# Altium PCB PCB1.PcbDoc (part 2 of 2)
Units mil, origin at the board's own origin, x right, y up, seen from the top; angles counter-clockwise.
Board outline 6000 x 4000 mil, 2 copper layers (Top Layer, Bottom Layer); 90 components, 145 nets, 578 pads, 84 vias.
Unrouted connection lines stored in the file: 9.
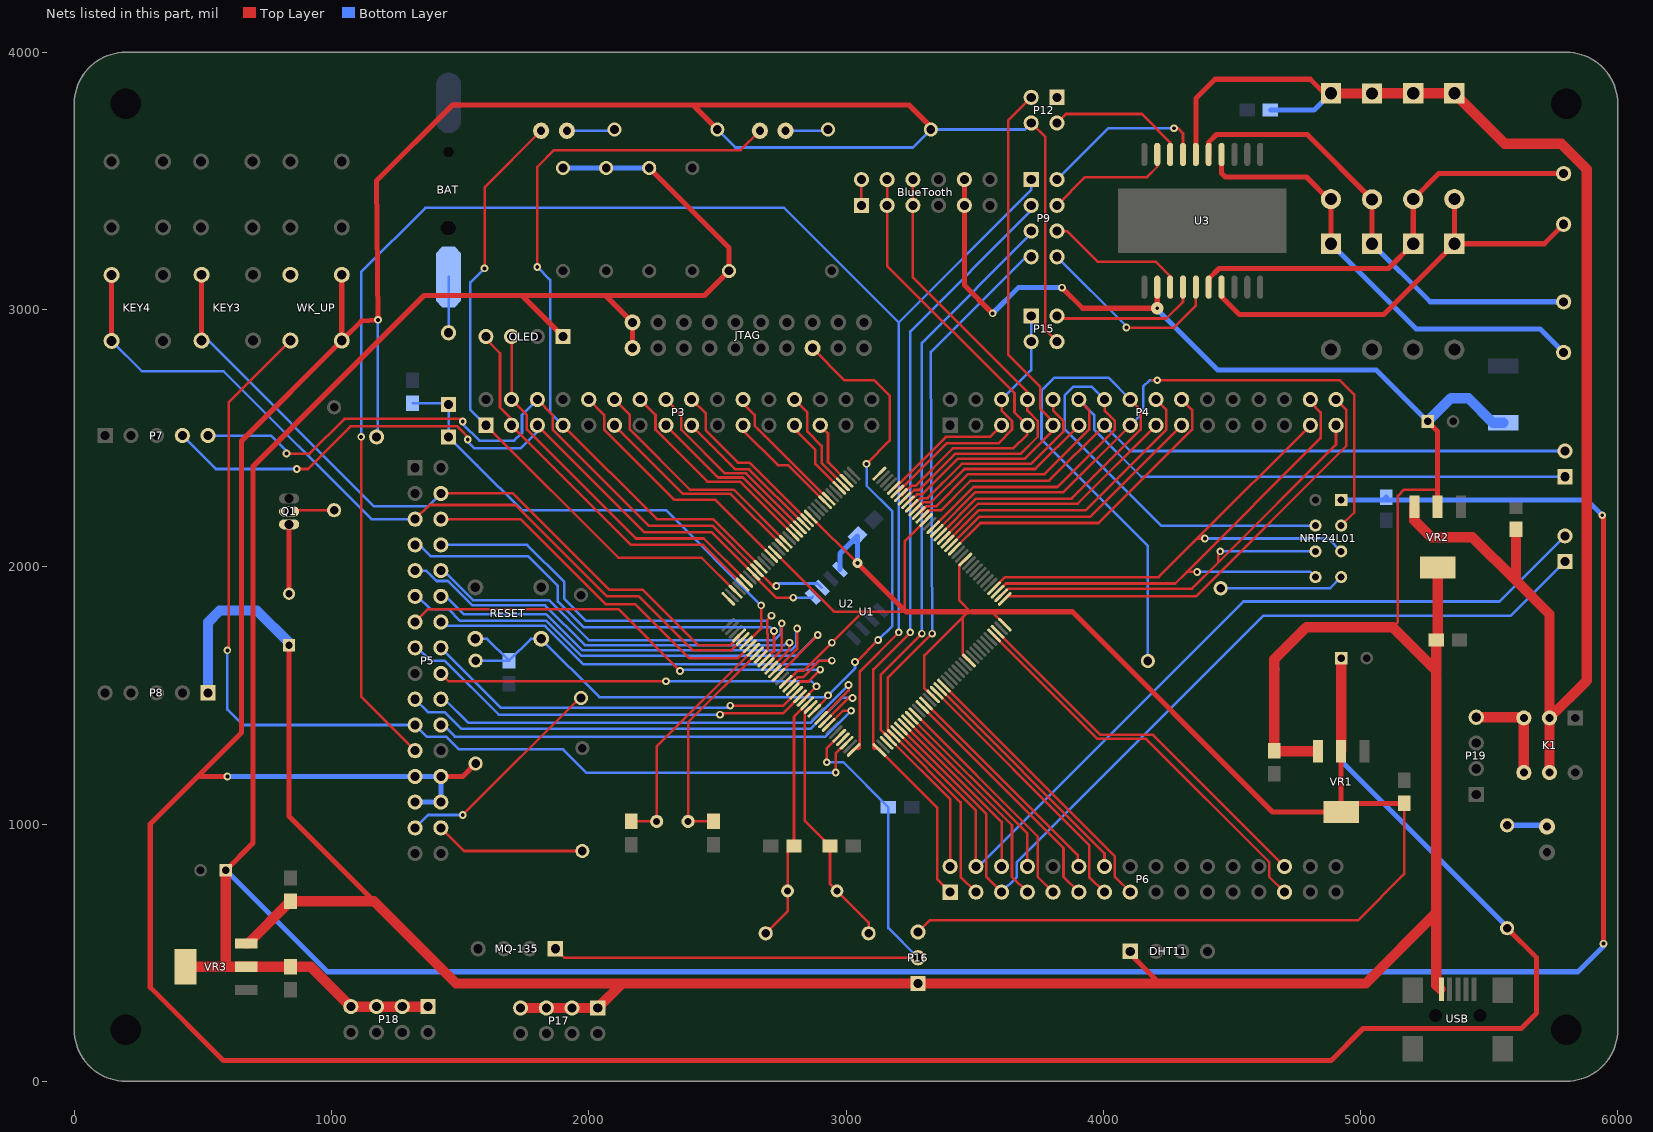
[diagram p2: the nets of this part, all layers, seen from the top]

## Via types
v1: diameter 30, hole 15, Top Layer to Bottom Layer, 76 vias
v2: diameter 50, hole 15, Top Layer to Bottom Layer, 5 vias
v3: diameter 40, hole 15, Top Layer to Bottom Layer, 3 vias

## Nets (pads, with @x,y where several pads share a name; then routed paths per layer and width w, separated by ;. In a path a pad name is that pad's centre, name@x,y a point inside that pad or via, vN(x,y) a via of type N, cw(c..) or ccw(c..) an arc to the next point about the centre after c; other vN are vias at no path point) (continued)
KEY_3: KEY3.2 P5.4 U1.4 | length 2899.5
  Top Layer w10: P5.4@1425,2285 1705,2285 2080,1910 2210,1910 2425,1695 2550.4,1695 2582.44,1727.03 2582.44,1735.16 U1.4@2584.47,1733.13
  Top Layer w20: KEY3.2@495,2879.09 KEY3.2@495,3135
  Bottom Layer w10: KEY3.2@495,2879.09 520.91,2879.09 1165,2235 1375,2235 P5.4@1425,2285
KEY_4: KEY4.2 P5.5 U1.5 | length 3272.1
  Top Layer w10: P5.5@1325,2185 1380,2240 1715,2240 2070,1885 2195,1885 2405,1675 2552.89,1675 2597.75,1719.85 U1.5@2598.39,1719.21
  Top Layer w20: KEY4.2@145,2878.19 KEY4.2@145,3134.09
  Bottom Layer w10: KEY4.2@145,2878.19 263.19,2760 580,2760 1155,2185 P5.5@1325,2185
LCD_BL: P6.8 U1.46 | length 764.2
  Top Layer w10: U1.46@3255.38,1412.99 3705,963.37 P6.8@3705,835
LED_0: D2.2 P3.7 U1.135 | length 2965.1
  Top Layer w10: v1(1800,3165) 1800,3555 1865,3620 2590,3620 D2.2@2665,3695 ; P3.7@1900,2550 2265,2185 2483.37,2185 U1.135@2667.99,2000.38
  Bottom Layer w10: v1(1800,3165) 1850,3115 1850,2600 P3.7@1900,2550
LED_1: D3.2 P3.1 U1.142 | length 2522.3
  Top Layer w10: v1(1595,3160) 1595,3475 D3.2@1815,3695 ; P3.1@1600,2550 2115,2035 2438.5,2035 U1.142@2570.55,1902.95
  Bottom Layer w10: v1(1595,3160) 1540,3105 1540,2610 P3.1@1600,2550
Li-vcc: C8.1 C11.2 D4.2 D5.2 D6.2 D7.2 K1.2 K1.5 U3.6 VR2.3 | length 5913.2
  Top Layer w20: U3.6@4360,3602.87 4360,3820 4435,3895 4805,3895 4859.09,3840.91 D4.2@4885,3840.91 ; D5.2@5045,3840 D5.2@5045.91,3840.91
  Top Layer w40: D4.2@4885,3840.91 4885.91,3840 D5.2@5045,3840 ; D5.2@5045.91,3840.91 D6.2@5205,3840.91 D7.2@5365,3840.91 5560.91,3645 5780,3645 5880,3545 5880,1557.6 K1.2@5735,1412.6 ; VR2.3@5209.45,2233.11 5209.45,2180.55 5275,2115 5435,2115 5605,1945 ; C11.2@5605,2145 5605,1945 ; K1.5@5735,1200 K1.2@5735,1412.6 ; 5605,1945 5735,1815 K1.2@5735,1412.6
  Bottom Layer w20: C8.1@4650,3775 4819.09,3775 D4.2@4885,3840.91
MOTOR-ENA: P4.9 P12.1 P12.3 U1.100 | length 2083.9
  Top Layer w10: U1.100@3241.47,2250.93 3245.53,2250.93 3277.24,2282.65 3297.65,2282.65 3435,2420 3695,2420 3805,2530 P4.9@3805,2550 3805,2565 3755,2615 3755,2700 3630,2825 3630,3735 P12.3@3720,3825
MOTOR-ENB: P4.6 P15.1 P15.3 U1.103 | length 1051.7
  Top Layer w10: U1.103@3199.71,2292.69 3203.77,2292.69 3391.08,2480 3592.49,2480 3645.43,2532.94 3645.43,2566.75 3605,2607.18 P4.6@3605,2650
  Bottom Layer w10: P4.6@3605,2650 3720,2765 P15.3@3720,2875 P15.1@3720,2975
MOTOR-IN1: P5.23 P9.1 U1.36 | length 6839.4
  Top Layer w10: v1(1115,2505) 1115,1495 P5.23@1325,1285 ; U1.36@3029.89,1287.71 3029.89,1291.77 3049.38,1291.77 3053.66,1296.06 3053.66,1593.66 v1(3205,1745)
  Bottom Layer w10: v1(1115,2505) 1115,3145 1365,3395 2760,3395 3205,2950 ; v1(3205,1745) 3205,2950 ; P9.1@3720,3505 3720,3465 3205,2950
MOTOR-IN2: P6.1 P9.3 U1.37 | length 3059.3
  Top Layer w10: v1(3250,1745) 3106.34,1601.34 3106.34,1296.06 3110.62,1291.77 3130.11,1291.77 U1.37@3130.11,1287.71 3355,1062.82 3355,785 P6.1@3405,735
  Bottom Layer w10: v1(3250,1745) 3250,2915 3720,3385 P9.3@3720,3405
MOTOR-IN3: P6.2 P9.5 U1.40 | length 2824.6
  Top Layer w10: v1(3295,1740) 3135,1580 3135,1367.62 3171.07,1331.55 3171.87,1331.55 U1.40@3171.87,1329.47 3405,1096.34 P6.2@3405,835
  Bottom Layer w10: v1(3295,1740) 3295,2870 3720,3295 P9.5@3720,3305
MOTOR-IN4: P6.3 P9.7 U1.41 | length 2861.8
  Top Layer w10: v1(3335,1740) 3162.02,1567.02 3162.02,1363.09 3177.66,1347.45 3185.79,1347.45 U1.41@3185.79,1343.39 3445.43,1083.74 3445.43,794.57 P6.3@3505,735
  Bottom Layer w10: v1(3335,1740) 3329.86,2834.86 3700,3205 P9.7@3720,3205
NetB1_1: B1.1 D4.1 D8.2 U3.4 | length 1793
  Top Layer w20: U3.4@4460,3602.87 4460,3530 4475,3515 4790,3515 4875.91,3429.09 D4.1@4885,3429.09 D8.2@4885,3255.91
  Bottom Layer w20: D8.2@4885,3255.91 5215.91,2925 5698.15,2925 B1.1@5790,2833.15
NetB1_2: B1.2 D5.1 D9.2 U3.5 | length 1809.7
  Top Layer w20: U3.5@4410,3602.87 4410,3650 4440,3680 4793.19,3680 D5.1@5045,3428.19 D9.2@5045,3255.91
  Bottom Layer w20: D9.2@5045,3255.91 5270.91,3030 B1.2@5790,3030
NetB2_1: B2.1 D6.1 D10.2 U3.16 | length 1683.5
  Top Layer w20: U3.16@4410,3087.13 4410,3120 4450,3160 5109.09,3160 D10.2@5205,3255.91 D6.1@5205,3429.09 5304.33,3528.43 B2.1@5790,3528.43
NetB2_2: B2.2 D7.1 D11.2 U3.17 | length 1714.9
  Top Layer w20: U3.17@4460,3087.13 4460,3050 4530,2980 5089.09,2980 D11.2@5365,3255.91 ; D7.1@5365,3429.09 D11.2@5365,3255.91 ; B2.2@5790,3331.57 5714.33,3255.91 D11.2@5365,3255.91
NetBAT1_1: BAT.1 D13.1 | length 216.6
  Bottom Layer w10: D13.1@1455,2909.76 BAT.1@1455,3126.35
NetBEEP1_2: BEEP.2 Q1.3 | length 270
  Top Layer w20: BEEP.2@835,1895 Q1.3@835,2165
NetC2_1: C2.1 R4.2 U1.23 Y1.1 | length 960.4
  Top Layer w10: R4.2@2687.87,575 2772.87,660 Y1.1@2772.87,740 2772.87,890 C2.1@2797.87,915 2797.87,1417.6 U1.23@2848.94,1468.66
NetC3_1: C3.1 R4.1 U1.24 Y1.2 | length 997.4
  Top Layer w10: U1.24@2862.86,1454.74 2862.86,1450.68 2854.73,1450.68 2839.09,1435.04 2839.09,1013.79 C3.1@2937.87,915 2937.87,767.13 Y1.2@2965,740 3087.87,617.13 R4.1@3087.87,575
NetC17_2: C17.2 D12.2 D13.2 U1.6 | length 1924.2
  Top Layer w10: U1.6@2612.31,1705.29 2615.29,1705.29 2670,1760 v1(2670,1850)
  Bottom Layer w10: C17.2@1315,2635 1450.24,2635 D13.2@1455,2630.24 1455,2505.24 D12.2@1454.76,2505 1565.72,2394.04 1565.96,2394.04 1740,2220 2300,2220 v1(2670,1850)
NetD1_1: D1.1 R1.1 | length 164.1
  Top Layer w20: D1.1@5730,990 D1.1@5735,985
  Bottom Layer w20: R1.1@5570,995 5720,995 D1.1@5725,990
NetD2_1: D2.1 R2.1 | length 167.1
  Bottom Layer w10: D2.1@2765,3695 2925,3695 R2.1@2930,3700
NetD3_1: D3.1 R3.1 | length 187.1
  Bottom Layer w10: D3.1@1915,3695 2095,3695 R3.1@2100,3700
NetK1_3: K1.3 K1.4 P19.4 | length 398.6
  Top Layer w40: P19.4@5450,1415 5632.6,1415 K1.3@5635,1412.6 K1.4@5635,1200
NetP5_29: P5.29 R7.1 | length 854.2
  Top Layer w10: v1(1510,1035) 1965,1490 R7.1@1970,1490
  Bottom Layer w10: P5.29@1325,985 1375,1035 v1(1510,1035)
NetP5_30: P5.30 R8.2 | length 587.3
  Top Layer w10: P5.30@1425,985 1515,895 R8.2@1975,895
NetP9_2: P9.2 U3.7 | length 663.3
  Top Layer w10: v1(4275,3705) 4290,3705 4310,3685 U3.7@4310,3602.87
  Bottom Layer w10: P9.2@3820,3505 4020,3705 v1(4275,3705)
NetP9_4: P9.4 U3.9 | length 500
  Top Layer w10: P9.4@3820,3405 3930,3515 4170,3515 4210,3555 U3.9@4210,3602.87
NetP9_6: P9.6 U3.13 | length 555.4
  Top Layer w10: P9.6@3820,3305 3860,3305 3980,3185 4205,3185 4260,3130 U3.13@4260,3087.13
NetP9_8: P9.8 U3.15 | length 764.2
  Top Layer w10: v1(4090,2930) 4275,2930 4360,3015 U3.15@4360,3087.13
  Bottom Layer w10: P9.8@3820,3205 4090,2935 v1(4090,2930)
NetP12_2: P12.2 U3.8 | length 547.2
  Top Layer w10: P12.2@3820,3725 3855,3760 4150,3760 4260,3650 U3.8@4260,3602.87
NetP15_2: P15.2 U3.14 | length 578.2
  Top Layer w10: P15.2@3820,2975 3830,2965 4245,2965 4310,3030 U3.14@4310,3087.13
NetQ1_2: Q1.2 R6.1 | length 177.1
  Top Layer w10: Q1.2@835,2215 840,2220 R6.1@1010,2220
NetR14_2: NRF24L01.8 R14.2 | length 486.6
  Bottom Layer w10: R14.2@4456.42,1916.42 4881.42,1916.42 NRF24L01.8@4925,1960
NRF_CE: NRF24L01.3 P4.14 U1.93 | length 2447.9
  Top Layer w10: U1.93@3338.9,2153.5 3495.4,2310 3822.18,2310 4045.43,2533.25 4045.43,2566.75 4006.71,2605.47 4006.71,2648.29 P4.14@4005,2650
  Bottom Layer w10: P4.14@4005,2650 3955,2700 3885,2700 3850,2665 3850,2535 4225,2160 NRF24L01.3@4825,2160
NRF_CS: NRF24L01.4 P4.15 U1.92 | length 2496.7
  Top Layer w10: U1.92@3352.82,2139.58 3503.24,2290 3845,2290 P4.15@4105,2550 ; 4190,2725 v1(4210,2725) 4920,2725 4975,2670 4975,2210 NRF24L01.4@4925,2160
  Bottom Layer w10: P4.15@4105,2550 4155,2600 4155,2700 4180,2725 v1(4210,2725)
NRF_IRQ: P4.16 R14.1 U1.91 | length 2704.7
  Top Layer w10: U1.91@3366.74,2125.66 3506.08,2265 3877.18,2265 4145.43,2533.25 4145.43,2609.57 P4.16@4105,2650
  Bottom Layer w10: P4.16@4105,2650 4020,2735 3810,2735 3760,2685 3760,2495 4173.58,2081.42 R14.1@4173.58,1633.58
PA0: P5.21 U1.34 WK_UP.2 | length 4135
  Top Layer w10: v1(595,1675) 600,1680 600,2639.09 WK_UP.2@840,2879.09 ; v1(2960,1200) 2960,1273.5 U1.34@3002.05,1315.55
  Bottom Layer w10: v1(595,1675) 595,1445 655,1385 P5.21@1325,1385 1370,1340 1445,1340 1495,1290 1900,1290 1990,1200 v1(2960,1200)
PA6: P1.2 P6.4 U1.42 | length 3471
  Top Layer w10: U1.42@3199.71,1357.31 3505,1052.01 P6.4@3505,835
  Bottom Layer w10: P6.4@3505,835 3515,835 4545,1865 5540,1865 P1.2@5795,2120
PA7: P1.1 P6.5 U1.43 | length 3554.1
  Top Layer w10: U1.43@3213.63,1371.23 3545.43,1039.42 3545.43,794.57 P6.5@3605,735
  Bottom Layer w10: P6.5@3605,735 3664.57,794.57 3664.57,851.75 4622.82,1810 5585,1810 P1.1@5795,2020
PA9: BlueTooth.5 BlueTooth.6 P4.8 U1.101 | length 1818.2
  Top Layer w10: U1.101@3227.55,2264.85 3231.61,2264.85 3265.31,2298.55 3283.55,2298.55 3425,2440 3680,2440 3745.43,2505.43 3745.43,2566.75 3705,2607.18 P4.8@3705,2650 3705,2680 3260,3125 BlueTooth.5@3260,3405 BlueTooth.6@3260,3505
PA10: BlueTooth.3 BlueTooth.4 P4.7 U1.102 | length 1805
  Top Layer w10: BlueTooth.4@3160,3505 BlueTooth.3@3160,3405 3160,3170 3655,2675 3655,2600 P4.7@3705,2550 3705,2515 3650,2460 3415,2460 3269.46,2314.46 3253.38,2314.46 3217.69,2278.77 U1.102@3213.63,2278.77
PA12: P4.5 U1.104 | length 520
  Top Layer w10: U1.104@3185.79,2306.61 3189.85,2306.61 3388.24,2505 3560,2505 P4.5@3605,2550
PB1: P6.9 U1.47 | length 913.8
  Top Layer w10: U1.47@3269.3,1426.9 3745.43,950.78 3745.43,794.57 P6.9@3805,735
PB6: P3.6 P7.5 U1.136 U2.6 | length 2969.9
  Top Layer w10: v1(825,2440) 915,2440 1050,2575 1500,2575 v1(1510,2565) ; P3.6@1800,2650 1859.57,2590.43 1859.57,2533.25 2232.82,2160 2480.53,2160 U1.136@2654.07,1986.47 2715.53,1925 v1(2729.29,1925)
  Bottom Layer w10: P7.5@520,2510 765,2510 825,2450 v1(825,2440) ; v1(1510,2565) 1510,2555 1575,2490 1710,2490 1740.43,2520.43 1740.43,2590.43 P3.6@1800,2650 ; v1(2729.29,1925) 2739.29,1935 2889.29,1935 U2.6@2905.96,1918.33
PB7: P3.5 P7.4 U1.137 U2.5 | length 2957.9
  Top Layer w10: v1(865,2380) 908.36,2380 1073.8,2545.43 1488.81,2545.43 1495.2,2539.04 1534.62,2499.62 v1(1529.81,2494.81) ; P3.5@1800,2550 2215,2135 2477.69,2135 U1.137@2640.15,1972.55 2640.15,1968.48 2728.63,1880 v1(2795,1880)
  Bottom Layer w10: P7.4@420,2510 550,2380 v1(865,2380) ; v1(1529.81,2494.81) 1529.81,2485.19 1555,2460 1735,2460 1800,2525 P3.5@1800,2550 ; v1(2795,1880) 2864.8,1880 2866.22,1878.58 U2.5@2870.61,1882.97
PB8: OLED.3 P3.4 U1.139 | length 1482.9
  Top Layer w10: OLED.3@1700,2895 P3.4@1700,2650 1759.57,2590.43 1759.57,2533.25 2182.82,2110 2447.01,2110 U1.139@2612.31,1944.71
PB9: OLED.4 P3.3 U1.140 | length 1556.3
  Top Layer w10: OLED.4@1600,2895 1600,2885 1655,2830 1655,2620 1700,2575 P3.3@1700,2550 2165,2085 2444.18,2085 U1.140@2598.39,1930.79
  Bottom Layer w10: P3.3@1700,2550 P3.3@1700,2565
PB10: P6.27 U1.69 | length 1576.4
  Top Layer w10: U1.69@3575.53,1733.13 3977.94,1330.72 4166.46,1330.72 4645.43,851.75 4645.43,794.57 P6.27@4705,735
PB11: P6.28 U1.70 | length 1493.3
  Top Layer w10: U1.70@3589.45,1747.05 3989.88,1346.62 4193.38,1346.62 P6.28@4705,835
PB12: P4.32 U1.73 | length 1771
  Top Layer w10: U1.73@3617.29,1875.11 3627.18,1885 4360,1885 4945.43,2470.43 4945.43,2609.57 P4.32@4905,2650
PB13: NRF24L01.5 P4.31 U1.74 | length 2035
  Top Layer w10: U1.74@3603.37,1889.03 3604.96,1889.03 3630.93,1915 4345,1915 4447.5,2017.5 ; v1(4455,2060) 4455,2055 4447.5,2047.5 4447.5,2017.5 ; P4.31@4905,2550 4905,2475 4447.5,2017.5
  Bottom Layer w10: v1(4455,2060) NRF24L01.5@4825,2060
PB14: NRF24L01.7 P4.30 U1.75 | length 2178.1
  Top Layer w10: U1.75@3589.45,1902.95 3621.5,1935 4280,1935 4325,1980 ; v1(4365,1980) 4325,1980 ; P4.30@4805,2650 4805,2640.29 4845.43,2599.86 4845.43,2500.43 4325,1980
  Bottom Layer w10: v1(4365,1980) 4805,1980 NRF24L01.7@4825,1960
PB15: NRF24L01.6 P4.29 U1.76 | length 2085.2
  Top Layer w10: U1.76@3575.53,1916.87 3618.66,1960 4215,1960 4365,2110 ; v1(4395,2110) 4365,2110 ; P4.29@4805,2562.79 P4.29@4805,2550 4365,2110
  Bottom Layer w10: v1(4395,2110) 4875,2110 NRF24L01.6@4925,2060
PC1: P5.20 U1.27 | length 1853.8
  Top Layer w10: U1.27@2904.61,1412.99 3010,1518.37 v1(3010,1540)
  Bottom Layer w10: P5.20@1425,1485 1440,1485 1530.91,1394.09 2864.09,1394.09 v1(3010,1540)
PC2: P5.19 U1.28 | length 1941.5
  Top Layer w10: U1.28@2918.53,1399.07 3009.47,1490 v1(3025,1490)
  Bottom Layer w10: P5.19@1325,1485 1375,1435 1440,1435 1505,1370 2862.49,1370 2982.49,1490 v1(3025,1490)
PC3: P5.22 U1.29 | length 1765.3
  Top Layer w10: U1.29@2932.45,1385.15 2987.31,1440 v1(3020,1440)
  Bottom Layer w10: P5.22@1425,1385 1435,1385 1480,1340 2920,1340 v1(3020,1440)
PC4: P6.6 U1.44 | length 706.5
  Top Layer w10: U1.44@3227.55,1385.15 3605,1007.69 P6.6@3605,835
PC5: P6.7 U1.45 | length 856.1
  Top Layer w10: U1.45@3241.47,1399.07 3645.43,995.1 3645.43,794.57 P6.7@3705,735
PC6: P2.2 P4.13 U1.96 | length 2686.2
  Top Layer w10: U1.96@3297.14,2195.26 3301.21,2195.26 3324.98,2219.03 3369.03,2219.03 3485,2335 3790,2335 P4.13@4005,2550
  Bottom Layer w10: P4.13@4005,2550 4105,2450 P2.2@5795,2450
PC7: P2.1 P4.12 U1.97 | length 2977.7
  Top Layer w10: U1.97@3283.22,2209.18 3287.29,2209.18 3313.04,2234.93 3349.93,2234.93 3475,2360 3772.18,2360 3945.43,2533.25 3945.43,2609.57 P4.12@3905,2650
  Bottom Layer w10: P4.12@3905,2650 3964.57,2590.43 3964.57,2533.25 4147.82,2350 P2.1@5795,2350
PC8: P4.11 U1.98 | length 771.1
  Top Layer w10: U1.98@3269.3,2223.1 3273.37,2223.1 3301.11,2250.84 3330.84,2250.84 3460,2380 3735,2380 P4.11@3905,2550
PC9: P4.10 U1.99 | length 850.8
  Top Layer w10: U1.99@3255.38,2237.02 3259.45,2237.02 3289.18,2266.74 3316.74,2266.74 3450,2400 3720,2400 3845.43,2525.43 3845.43,2566.75 3805,2607.18 P4.10@3805,2650
PC10: P3.27 U1.111 | length 257.8
  Top Layer w10: P3.27@2900,2550 2900,2548.57 2930,2518.57 2930,2406.5 U1.111@3002.05,2334.45
PC11: P3.26 U1.112 | length 407.4
  Top Layer w10: P3.26@2800,2650 2850,2600 2850,2525 2905,2470 2905,2403.66 U1.112@2988.13,2320.53
PC12: P3.25 U1.113 | length 315.5
  Top Layer w10: P3.25@2800,2550 2800,2535 2881.19,2453.81 2881.19,2399.64 U1.113@2974.21,2306.61
PC13: P5.6 U1.7 | length 1444.1
  Top Layer w10: P5.6@1425,2185 1735,2185 2065,1855 2180,1855 2390,1645 2579.85,1645 U1.7@2626.23,1691.37
PC14: C6.2 U1.8 Y2.1 | length 922.2
  Top Layer w10: C6.2@2165,1010 Y2.1@2263.98,1010 2263.98,1301.28 U1.8@2640.15,1677.45
PC15: C7.2 U1.9 Y2.2 | length 863.6
  Top Layer w10: C7.2@2485.06,1010 Y2.2@2386.02,1010 2386.02,1395.49 U1.9@2654.07,1663.53
PD2: P3.22 U1.116 | length 525.5
  Top Layer w10: P3.22@2600,2650 2600,2635 2645,2590 2645,2548.24 2659.57,2533.68 2659.57,2533.25 2683.25,2509.57 2683.68,2509.57 2907.16,2286.08 2911.23,2286.08 U1.116@2932.45,2264.85
PD3: P3.21 U1.117 | length 454.1
  Top Layer w10: P3.21@2600,2550 2600,2530 2735,2395 2774.47,2395 U1.117@2918.53,2250.93
PD6: P3.18 U1.122 | length 681.1
  Top Layer w10: P3.18@2400,2650 2455,2595 2455,2530 2580,2405 2625.27,2405 U1.122@2848.94,2181.34
PD7: P3.17 U1.123 | length 593.5
  Top Layer w10: P3.17@2400,2550 2571.05,2378.95 2623.49,2378.95 U1.123@2835.02,2167.42
PF0: P5.8 U1.10 | length 1632.1
  Top Layer w10: U1.10@2667.99,1649.62 2695,1676.63 2695,1738.36 2694.09,1739.27 2694.09,1794.09 v1(2710,1810)
  Bottom Layer w10: P5.8@1425,2085 1760,2085 1905,1940 1905,1875 1990,1790 2690,1790 v1(2710,1810)
PF1: P5.7 U1.11 | length 1702.8
  Top Layer w10: U1.11@2681.9,1635.7 2718.1,1671.9 2720,1670 v1(2720,1750)
  Bottom Layer w10: P5.7@1325,2085 1341.34,2085 1385,2041.34 1763.66,2041.34 1880,1925 1880,1865 1980,1765 2705,1765 v1(2720,1750)
PF2: P5.10 U1.12 | length 1665.9
  Top Layer w10: U1.12@2695.82,1621.78 2750,1675.95 v1(2750,1780)
  Bottom Layer w10: P5.10@1425,1985 1434.83,1985 1549.83,1870 1845,1870 2000,1715 2721.64,1715 2745.91,1739.27 2745.91,1775.91 v1(2750,1780)
PF3: P5.9 U1.13 | length 1705.5
  Top Layer w10: U1.13@2709.74,1607.86 2780,1678.11 v1(2780,1705)
  Bottom Layer w10: P5.9@1325,1985 1367.82,1985 1408.25,1944.57 1452.77,1944.57 1547.34,1850 1830,1850 1985,1695 2760,1695 2770,1705 v1(2780,1705)
PF4: P5.12 U1.14 | length 1745.1
  Top Layer w10: U1.14@2723.66,1593.94 2810,1680.27 v1(2810,1760)
  Bottom Layer w10: P5.12@1425,1885 1445,1885 1515,1815 1835,1815 1975,1675 2786.64,1675 2805.91,1694.27 2805.91,1755.91 v1(2810,1760)
PF5: P5.11 U1.15 | length 1912.9
  Top Layer w10: U1.15@2737.58,1580.02 2890,1732.44 v1(2890,1735)
  Bottom Layer w10: P5.11@1325,1885 1335,1885 1385,1835 1455,1835 1500,1790 1835,1790 1971.64,1653.36 2808.36,1653.36 v1(2890,1735)
PF6: P5.14 U1.18 | length 1799.5
  Top Layer w10: U1.18@2779.34,1538.26 2811.08,1570 2832.49,1570 2897.49,1635 v1(2945,1635)
  Bottom Layer w10: P5.14@1425,1785 1440,1770 1830,1770 1979.09,1620.91 2880.91,1620.91 2895,1635 v1(2945,1635)
PF7: P5.13 U1.19 | length 1845.3
  Top Layer w10: P5.13@1325,1785 1375,1835 2115,1835 v1(2355,1595) ; U1.19@2793.26,1524.34 2823.01,1554.09 2854.09,1554.09 v1(2900,1600)
  Bottom Layer w10: v1(2355,1595) 2350,1600 v1(2900,1600)
PF8: P5.16 U1.20 | length 1503.3
  Top Layer w10: v1(2550,1460) 2756.76,1460 U1.20@2807.18,1510.42
  Bottom Layer w10: P5.16@1425,1685 1658.46,1451.54 2541.54,1451.54 v1(2550,1460)
PF9: P5.15 U1.21 | length 1633.4
  Top Layer w10: v1(2510,1425) 2515,1430 2754.6,1430 U1.21@2821.1,1496.5
  Bottom Layer w10: P5.15@1325,1685 1335,1685 1385,1635 1440,1635 1650,1425 v1(2510,1425)
PF10: P5.18 U1.22 | length 1557.2
  Top Layer w10: P5.18@1425,1585 1455,1555 v1(2300,1555) ; U1.22@2835.02,1482.58 2839.08,1482.58 2839.08,1490.71 2854.72,1506.35 2856.35,1506.35 v1(2885,1535)
  Bottom Layer w10: v1(2300,1555) 2865,1555 v1(2885,1535)
PF11: P6.11 U1.49 | length 971.5
  Top Layer w10: U1.49@3297.14,1454.74 3845.43,906.45 3845.43,794.57 P6.11@3905,735
PF12: P6.12 U1.50 | length 879.7
  Top Layer w10: U1.50@3311.06,1468.66 3900.2,879.53 3900.2,839.8 P6.12@3905,835
PF13: P6.13 U1.53 | length 1045.6
  Top Layer w10: U1.53@3352.82,1510.42 3945.43,917.81 3945.43,794.57 P6.13@4005,735
PF14: P6.14 U1.54 | length 953.7
  Top Layer w10: U1.54@3366.74,1524.34 4005,886.08 P6.14@4005,835
PF15: P6.15 U1.55 | length 1103.3
  Top Layer w10: U1.55@3380.66,1538.26 4045.43,873.49 4045.43,794.57 P6.15@4105,735
PG2: P4.20 U1.87 | length 1248.4
  Top Layer w10: U1.87@3422.42,2069.98 3522.44,2170 3982.18,2170 4345.43,2533.25 4345.43,2609.57 P4.20@4305,2650
PG3: P4.19 U1.88 | length 1089.6
  Top Layer w10: U1.88@3408.5,2083.9 3519.6,2195 3950,2195 P4.19@4305,2550
PG4: P4.18 U1.89 | length 1164.7
  Top Layer w10: U1.89@3394.58,2097.82 3516.76,2220 3932.18,2220 4245.43,2533.25 4245.43,2609.57 P4.18@4205,2650
PG5: P4.17 U1.90 | length 1005.9
  Top Layer w10: U1.90@3380.66,2111.74 3513.92,2245 3900,2245 P4.17@4205,2550
PG9: P3.16 U1.124 | length 760.3
  Top Layer w10: P3.16@2300,2650 2359.57,2590.43 2359.57,2533.25 2529.78,2363.04 2611.55,2363.04 U1.124@2821.1,2153.5
PG10: P3.15 U1.125 | length 677.2
  Top Layer w10: P3.15@2300,2550 2502.86,2347.14 2599.62,2347.14 U1.125@2807.18,2139.58
PG11: P3.14 U1.126 | length 843.9
  Top Layer w10: P3.14@2200,2650 2259.57,2590.43 2259.57,2533.25 2461.59,2331.23 2587.69,2331.23 U1.126@2793.26,2125.66
PG13: P3.12 U1.128 | length 927.6
  Top Layer w10: P3.12@2100,2650 2159.57,2590.43 2159.57,2533.25 2393.4,2299.42 2563.82,2299.42 U1.128@2765.42,2097.82
PG14: P3.11 U1.129 | length 844.6
  Top Layer w10: P3.11@2100,2550 2366.49,2283.51 2551.89,2283.51 U1.129@2751.5,2083.9
PG15: P3.10 U1.132 | length 995
  Top Layer w10: P3.10@2000,2650 2059.57,2590.43 2059.57,2533.25 2332.82,2260 2491.89,2260 U1.132@2709.74,2042.14
RESET: C5.1 JTAG.15 R5.1 RESET.1 U1.25 | length 3476.9
  Top Layer w10: JTAG.15@2870,2850 2995,2725 3110,2725 3170,2665 3170,2490 v1(3080,2400) ; U1.25@2876.78,1440.82 2930.95,1495 2930,1495.95 v1(2930,1500) ; v1(3035,1630) 3040,1630 v1(3125,1715)
  Bottom Layer w10: RESET.1@1559.09,1720 1605,1720 C5.1@1690,1635 ; R5.1@1560,1635 C5.1@1690,1635 ; v1(3035,1630) 3035,1605 v1(2930,1500) 2923.19,1493.19 2041.81,1493.19 RESET.1@1815,1720 1775,1720 C5.1@1690,1635 ; v1(3080,2400) 3080,2315 3180,2215 3180,1770 v1(3125,1715)
STATE: BlueTooth.1 BlueTooth.2 | length 100
  Top Layer w10: BlueTooth.1@3060,3405 BlueTooth.2@3060,3505
VCC3.3: C9.1 C12.1 C13.2 D12.1 P5.25 P5.26 P5.27 P5.28 P12.4 P15.4 P16.3 R1.2 R2.2 R3.2 R5.2 U1.17 U1.33 U1.39 U1.52 U1.62 U1.72 U1.84 U1.95 U1.108 U1.121 U1.131 U1.144 U2.8 VR1.2 WK_UP.1 | length 25667.2
  Top Layer w10: U1.131@2723.66,2056.06 2954.73,1825 3065,1825 ; U1.17@2765.42,1552.18 2769.49,1552.18 2812.31,1595 2835,1595 v1(2945,1705) 3065,1825 ; U1.121@2862.86,2195.26 v3@3044.01,2014.1 ; 3233.11,1825 3228.11,1830 ; P16.3@3280,580 3325,625 4990,625 5170,805 C13.2@5170,1080 ; U1.95@3311.06,2181.34 3228.11,2098.39 3228.11,1830 ; U1.52@3338.9,1496.5 3338.9,1500.57 3331.93,1500.57 3305,1527.49 3305,1655 3454.32,1804.32 ; 3454.32,1805 3454.32,1804.32 ; U1.84@3464.18,2028.22 3464.18,2024.16 3456.05,2024.16 3440.41,2008.52 3440.41,1869.59 3485,1825 3475,1825 3454.32,1804.32 ; U1.62@3478.1,1635.7 3478.1,1639.76 3469.97,1639.76 3454.32,1655.4 3454.32,1804.32 ; 3560,1825 3567.18,1825 U1.72@3617.29,1774.89 ; P12.4@3720,3725 3775,3670 3775,2920 P15.4@3820,2875 ; VR1.2@4925,1046.89 VR1.2@4958.11,1080 ; 3065,1825 3228.11,1825 3228.11,1830
  Top Layer w20: v1(595,1185) 485,1185 482.5,1187.5 ; WK_UP.1@1040,3135 WK_UP.1@1040,2879.09 ; P5.26@1425,1185 1510,1185 R5.2@1560,1235 ; 2412.5,3787.5 R3.2@2500,3700 ; v3(3044.95,2015.05) v3@3055,2005 ; v3@3054.06,2004.06 3228.11,1830 ; 3233.11,1825 3475,1825 ; R2.2@3330,3700 3330,3710 3245,3795 1470,3795 1175.24,3500.24 v1(1180.24,2959.76) 1115.67,2954.76 WK_UP.1@1040,2879.09 ; 3490,1825 3560,1825 ; 3567.18,1825 3880,1825 4658.11,1046.89 VR1.2@4925,1046.89 VR1.2@4925,1283.11 VR1.2@4925.79,1283.9 ; VR1.2@4958.11,1080 C13.2@5170,1080 ; R1.2@5570,595 5685,480 5685,265 5625,205 5010,205 4885,80 580,80 295,365 295,1000 482.5,1187.5 ; 482.5,1187.5 650,1355 650,2489.09 WK_UP.1@1040,2879.09
  Top Layer w40: VR1.2@4925.79,1283.9 C12.1@4925.79,1645
  Bottom Layer w10: D12.1@1180.24,2510 v1(1180.24,2959.76) ; R3.2@2500,3700 2570,3630 3260,3630 R2.2@3330,3700 3695,3700 P12.4@3720,3725
  Bottom Layer w20: v1(595,1185) P5.25@1325,1185 P5.26@1425,1185 P5.28@1425,1085 P5.27@1325,1085 ; U2.8@2976.67,1989.04 2976.67,2051.76 C9.1@3044.95,2120.05 v3(3044.95,2015.05) ; C12.1@4925.79,1645 4925.79,1244.21 R1.2@5572.5,597.5
VCC3.3T: C18.2 C20.1 C21.2 JTAG.1 JTAG.2 NRF24L01.2 OLED.1 P18.1 P18.3 P18.5 P18.7 R9.2 R10.2 R11.2 R13.2 VR3.2 | length 14811.1
  Top Layer w20: C20.1@575,805.79 C20.1@589.21,820 695,925.79 695,2390 1360,3055 1740,3055 ; OLED.1@1900,2895 1740,3055 ; JTAG.1@2170,2850 JTAG.2@2170,2950 2065,3055 ; R11.2@2235,3550 2545,3240 R13.2@2545,3150 2450,3055 2065,3055 ; v1(5940,2200) 5945,2195 v1(5945,535) ; 1740,3055 2065,3055
  Top Layer w40: VR3.2@431.89,445 590,445 ; C20.1@589.21,820 589.21,445.79 590,445 ; P18.1@1375,290 P18.3@1275,290 P18.5@1175,290 P18.7@1075,290 920,445 C21.2@840,445 VR3.2@668.11,445 590,445
  Bottom Layer w20: C20.1@589.21,820 983.78,425.43 5845.43,425.43 5945,525 v1(5945,535) ; R9.2@1900,3550 R10.2@2067.5,3550 R11.2@2235,3550 ; NRF24L01.2@4925,2260 C18.2@5090,2260 ; C18.2@5100,2270 C18.2@5090,2260 ; v1(5940,2200) 5880,2260 C18.2@5090,2260
VCC5: BEEP.1 BlueTooth.9 BlueTooth.10 C10.2 C14.1 C15.2 C19.2 D14.2 DHT11.1 P8.1 P16.1 P17.1 P17.3 P17.5 P17.7 U3.12 USB.1 VR1.3 VR2.2 VR3.3 | length 14251.8
  Top Layer w10: 5125,1765 5145,1785 5145,2275 5170,2300 5300,2300
  Top Layer w20: BEEP.1@835,1695 835,1030 1165,700 ; BlueTooth.10@3460,3505 BlueTooth.9@3460,3405 3460,3095 v1(3570,2985) ; v1(3840,3085) 3920,3005 v2(4210,3005) U3.12@4210,3077.13 ; DHT11.1@4105,505 4105,495 4220,380 ; C14.1@5261.57,2565 5300,2526.57 5300,2300 VR2.2@5300,2233.11
  Top Layer w40: VR3.3@668.11,535.55 675.49,535.55 C19.2@839.94,700 1165,700 1485,380 2130,380 ; P17.7@1735,285 P17.5@1835,285 P17.3@1935,285 P17.1@2035,285 2130,380 ; VR1.3@4834.45,1283.11 4666.95,1283.11 C10.2@4665.06,1285 4665.06,1640.06 4790,1765 5125,1765 5295,1595 C15.2@5295,1715 5300,1720 VR2.2@5300,1996.89 ; 5295,1580 5295,655 ; USB.1@5311.14,357.36 5295,373.51 5295,655 ; 2130,380 P16.1@3280,380 4220,380 5020,380 5295,655
  Bottom Layer w20: v1(3570,2985) 3670,3085 v1(3840,3085) ; v2(4210,3005) 4210,3000 4445,2765 5061.57,2765 C14.1@5261.57,2565
  Bottom Layer w40: P8.1@520,1510 520,1785 565,1830 710,1830 835,1705 BEEP.1@835,1695 ; 4665,1600 4665.06,1599.94 ; C14.1@5261.57,2565 5351.57,2655 5420,2655 5515,2560 D14.2@5555,2560
VREF+: C16.2 MQ-135.1 P16.2 U1.32 | length 2493.4
  Top Layer w10: MQ-135.1@1870,515 1905,480 P16.2@3280,480 ; v1(2925,1240) 2925,1294.18 U1.32@2974.21,1343.39
  Bottom Layer w10: v1(2925,1240) 2989.94,1240 C16.2@3165,1064.94 3165,595 P16.2@3280,480
pads on no net: BAT.0 DHT11.3 JTAG.11 JTAG.17 JTAG.19 K1.1 K1.6 P3.30 P3.31 P3.32 P4.1 P4.2 P4.3 P6.29 P6.30 P6.31 P6.32 P7.1 P7.2 P7.3 P8.2 P8.4 P8.5 P19.2 P19.3 U1.106 U3.3 U3.18 U3.21 USB.2 USB.3 USB.4 USB.6 USB.7 USB.8 USB.9 USB.MH1 USB.MH2
copper on no net: | length 19656.6
  Top Layer w10: 0,200 ccw(c200,200) 200,0 400,0 5600,0 5800,0 ccw(c5800,200) 6000,200 6000,400 6000,3800 ccw(c5800,3800) 5800,4000 200,4000 ccw(c200,3800) 0,3800 0,400 0,200

## Polygon pours and split planes (outlines as drawn)
GND on Top Layer "Top Layer-No Net" (hatched 90Degree grid 5 track 5, remove dead copper, pour order 8): 0,4000 6000,4000 6000,0 0,0

## Silkscreen, mask and mechanical layers (free items; w line width, h text height)
Top Overlay:
  drawing of 916 lines, arcs and shapes, not listed
  text "WeChatPublic :  / laiyiketang" at 1395,3915 h60 r180
  text "STATE" at 2930,3570 h30
  text "RXD" at 3175,3570 h30 r90
  text "TXD" at 3275,3570 h30 r90
  text "GND" at 3375,3570 h30 r90
  text "VCC5.0" at 3475,3570 h30 r90
  text "EN" at 3570,3570 h30 r90
  text "3.3V-T" at 1905,2955 h30 r90
  text "ADXL345" at 355,1810 h60 r90
  text "GND" at 280,1580 h30
  text "VCC5.0" at 460,1580 h30
  text "VCC3.3" at 1490,1070 h30
  text "VCC3.3" at 1095,1065 h30
  text "BOOT1" at 1485,970 h30
  text "BOOT0" at 1120,965 h30
  text "GND" at 1180,870 h30
  text "GND" at 1490,870 h30
  text "A0" at 1535,575 h30
  text "DO" at 1645,575 h30
  text "VCC3.3" at 3345,565 h30
  text "VREF+" at 3345,465 h30
  text "VCC" at 4040,465 h30 r90
  text "VCC5.0" at 3345,365 h30
  text "VCC3.3T" at 1440,280 h30
  text "VCC5.0" at 2100,280 h30
  text "GND" at 1440,165 h30
  text "GND" at 2095,160 h30
Bottom Overlay:
  text "[2017,10,5,___TWK's graduation project]" at 5125,165 h80

## Text inside footprints (layer, text, board x,y; h text height)
P9: Top Overlay "2" at 3800,3605 h50 r270; Top Overlay "1" at 3700,3585 h50 r270; Top Overlay "7" at 3700,3145 h50 r270; Top Overlay "8" at 3800,3145 h50 r270
P12: Top Overlay "1" at 3900,3845 h50 r180; Top Overlay "2" at 3920,3745 h50 r180; Top Overlay "4" at 3660,3745 h50 r180; Top Overlay "3" at 3660,3845 h50 r180
P15: Top Overlay "1" at 3700,3055 h50 r270; Top Overlay "2" at 3800,3075 h50 r270; Top Overlay "4" at 3800,2815 h50 r270; Top Overlay "3" at 3700,2815 h50 r270